# KiCad board F02-Func-Decoder-p.kicad_pcb (continued)
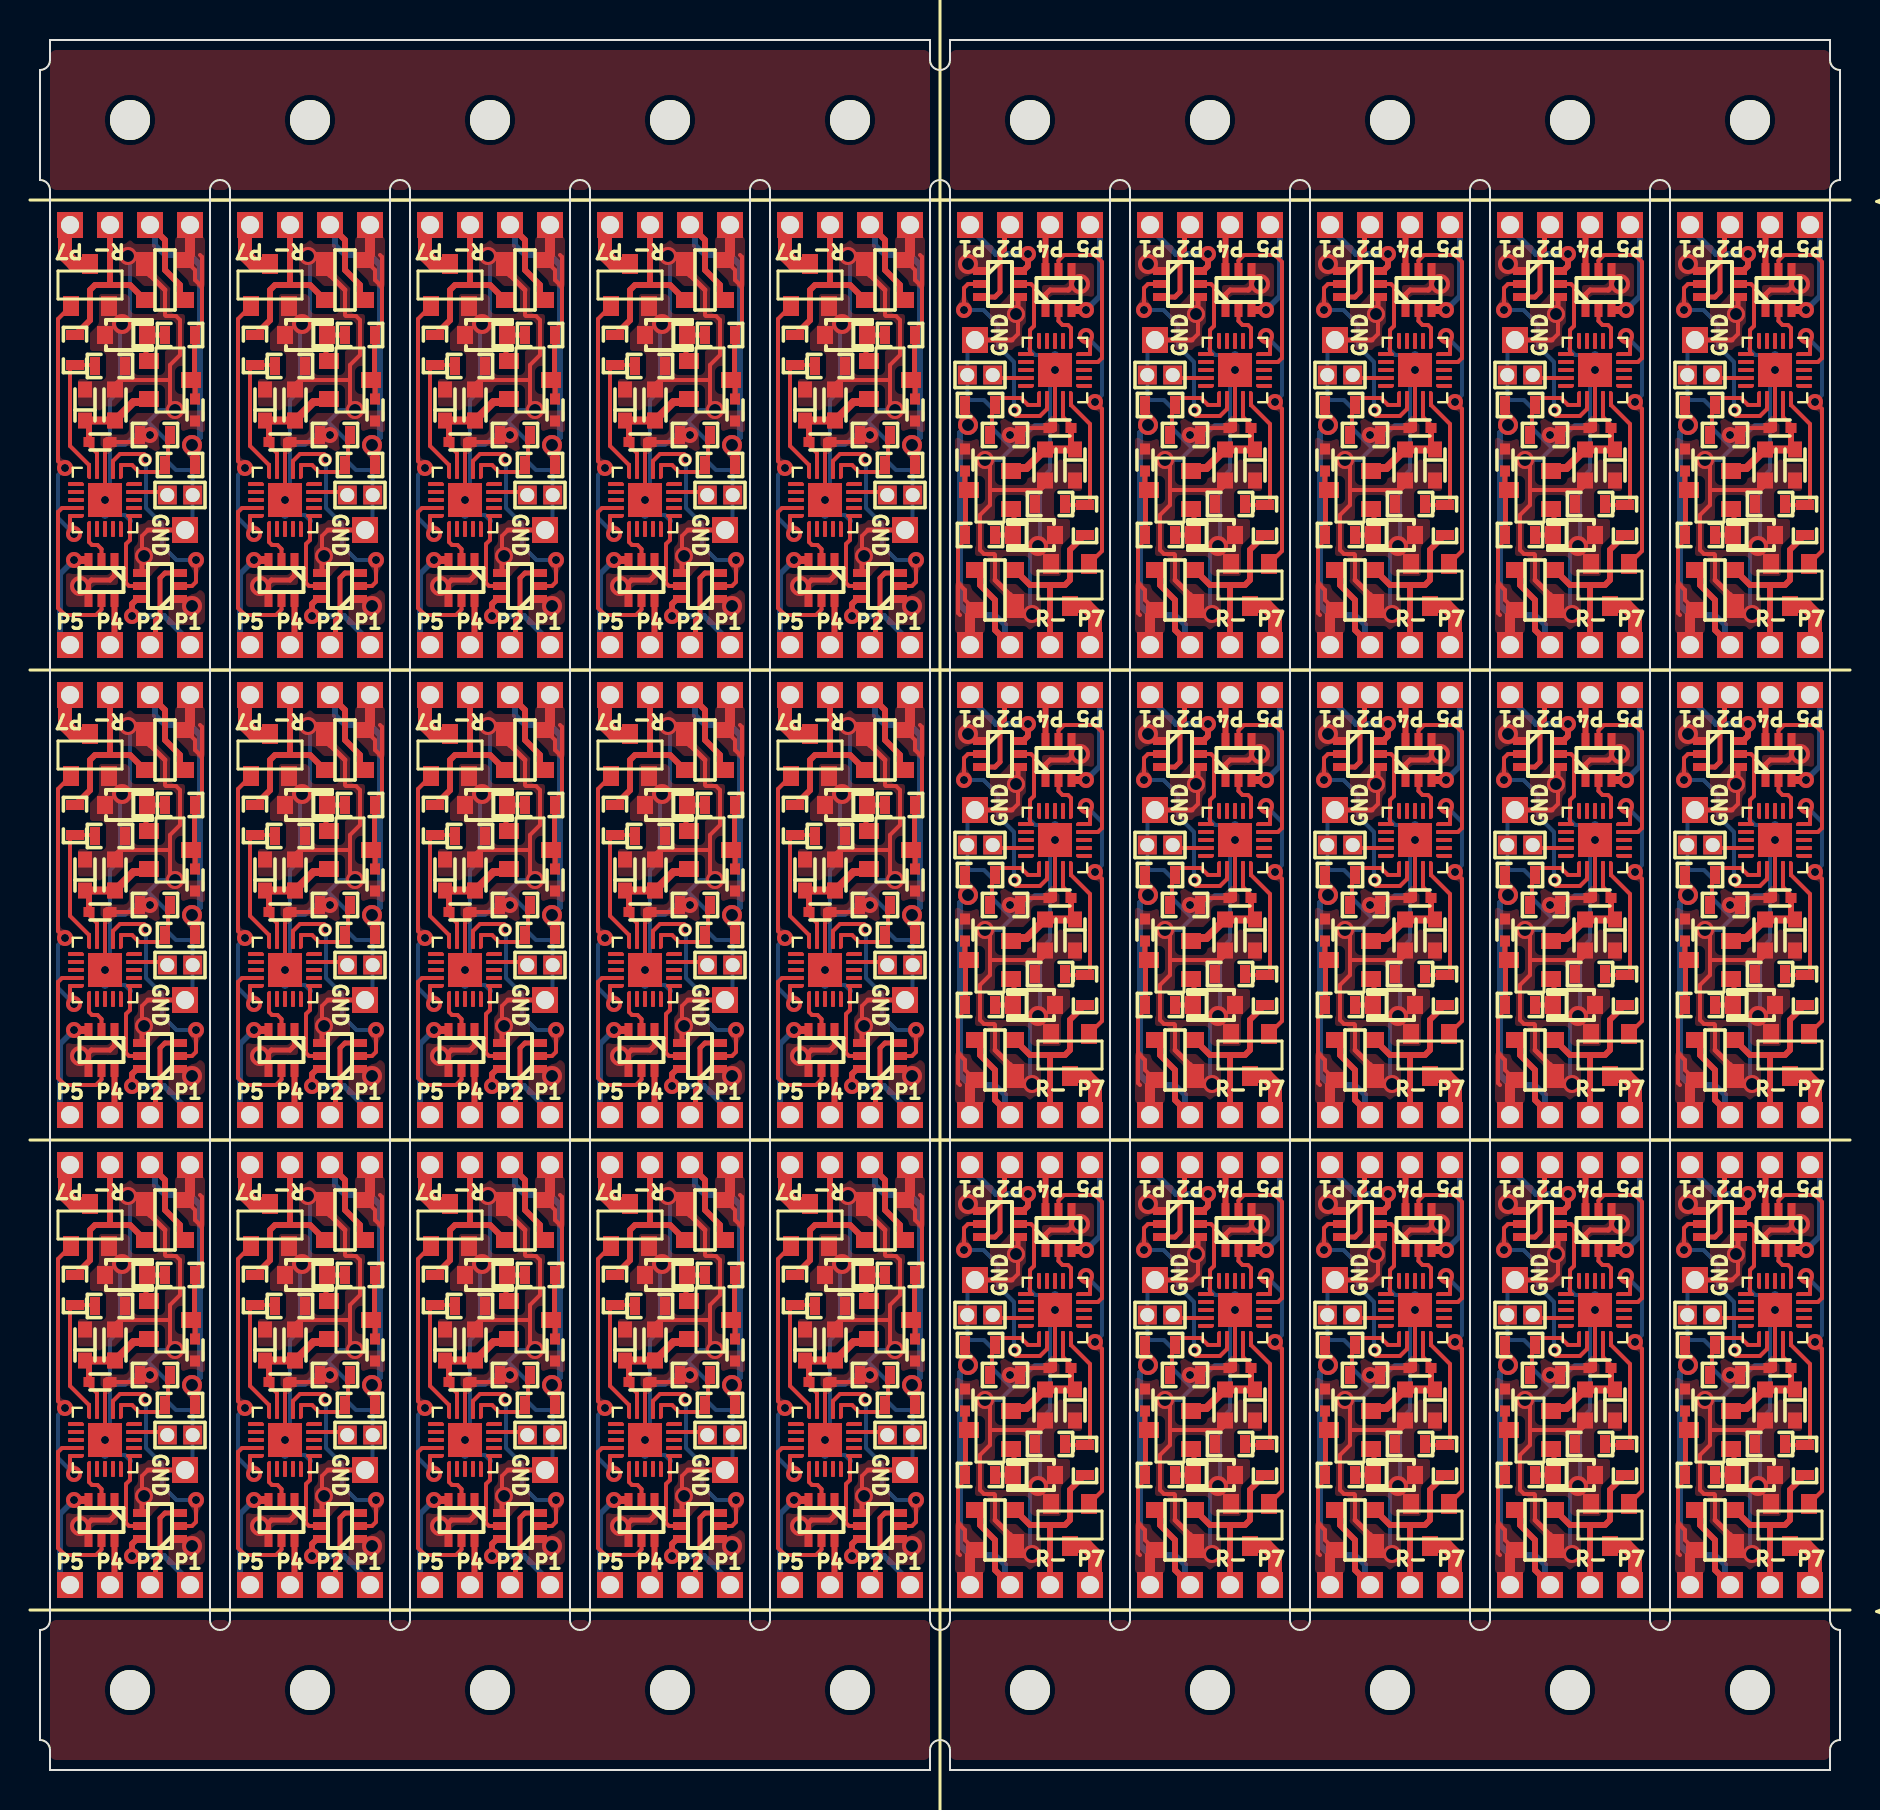
[diagram p0: board, top side]
## Routing (per net, layer and track width the routed paths; a pad name or vN(x,y) marks a point on that pad's centre or on a via; arc(x,y) is an arc through that point) (continued)
Func7: length 398.2
  Top w0.2: v1(28.25,18.1) 27.9,18.45 27.9,25.55 Q55.1 ; v1(19.7,38.3) 19.5,38.5 19.5,39.2 ; 70.5,23.8 70.5,24.5 v1(70.3,24.7) ; v1(10.7,61.8) 10.5,62 10.5,62.7 ; Q55#2.1 62.1,60.95 62.1,68.05 v1(61.75,68.4) ; v1(61.3,71.7) 61.5,71.5 61.5,70.8 ; 28.5,39.2 28.5,38.5 v1(28.7,38.3) ; v1(37.25,65.1) 36.9,65.45 36.9,72.55 Q19#2.1 ; v1(28.25,41.6) 27.9,41.95 27.9,49.05 Q35#2.1 ; v1(61.75,21.4) 62.1,21.05 62.1,13.95 Q15#2.1 ; v1(88.75,68.4) 89.1,68.05 89.1,60.95 Q43.1 ; 79.5,47.3 79.5,48 v1(79.3,48.2) ; v1(28.25,65.1) 27.9,65.45 27.9,72.55 Q15.1 ; v1(52.75,21.4) 53.1,21.05 53.1,13.95 Q19.1 ; v1(1.25,41.6) 0.9,41.95 0.9,49.05 Q23.1 ; 1.5,62.7 1.5,62 v1(1.7,61.8) ; Q51.1 71.1,60.95 71.1,68.05 v1(70.75,68.4) ; v1(70.3,48.2) 70.5,48 70.5,47.3 ; v1(79.3,71.7) 79.5,71.5 79.5,70.8 ; v1(52.75,68.4) 53.1,68.05 53.1,60.95 Q59#2.1 ; v1(1.25,65.1) 0.9,65.45 0.9,72.55 Q3#2.1 ; v1(70.75,21.4) 71.1,21.05 71.1,13.95 Q11#2.1 ; 1.5,39.2 1.5,38.5 v1(1.7,38.3) ; v1(88.3,48.2) 88.5,48 88.5,47.3 ; v1(52.75,44.9) 53.1,44.55 53.1,37.45 Q39#2.1 ; Q7.1 9.9,72.55 9.9,65.45 v1(10.25,65.1) ; 19.5,15.7 19.5,15 v1(19.7,14.8) ; Q23#2.1 89.1,37.45 89.1,44.55 v1(88.75,44.9) ; v1(10.7,14.8) 10.5,15 10.5,15.7 ; v1(10.25,18.1) 9.9,18.45 9.9,25.55 Q47#2.1 ; v1(10.25,41.6) 9.9,41.95 9.9,49.05 Q27.1 ; Q43#2.1 0.9,25.55 0.9,18.45 v1(1.25,18.1) ; v1(79.75,21.4) 80.1,21.05 80.1,13.95 Q7#2.1 ; v1(61.3,24.7) 61.5,24.5 61.5,23.8 ; v1(37.7,61.8) 37.5,62 37.5,62.7 ; v1(52.3,71.7) 52.5,71.5 52.5,70.8 ; v1(61.3,48.2) 61.5,48 61.5,47.3 ; Q39.1 36.9,49.05 36.9,41.95 v1(37.25,41.6) ; Q47.1 80.1,60.95 80.1,68.05 v1(79.75,68.4) ; v1(37.7,14.8) 37.5,15 37.5,15.7 ; v1(79.3,24.7) 79.5,24.5 79.5,23.8 ; Q27#2.1 80.1,37.45 80.1,44.55 v1(79.75,44.9) ; Q59.1 36.9,25.55 36.9,18.45 v1(37.25,18.1) ; 1.5,15.7 1.5,15 v1(1.7,14.8) ; Q31.1 18.9,49.05 18.9,41.95 v1(19.25,41.6) ; v1(52.3,24.7) 52.5,24.5 52.5,23.8 ; 70.5,70.8 70.5,71.5 v1(70.3,71.7) ; v1(19.7,61.8) 19.5,62 19.5,62.7 ; v1(28.7,61.8) 28.5,62 28.5,62.7 ; v1(88.75,21.4) 89.1,21.05 89.1,13.95 Q3.1 ; Q35.1 62.1,37.45 62.1,44.55 v1(61.75,44.9) ; v1(37.7,38.3) 37.5,38.5 37.5,39.2 ; v1(88.3,24.7) 88.5,24.5 88.5,23.8 ; 28.5,15.7 28.5,15 v1(28.7,14.8) ; Q11.1 18.9,72.55 18.9,65.45 v1(19.25,65.1) ; v1(70.75,44.9) 71.1,44.55 71.1,37.45 Q31#2.1 ; 52.5,47.3 52.5,48 v1(52.3,48.2) ; 10.5,39.2 10.5,38.5 v1(10.7,38.3) ; 88.5,70.8 88.5,71.5 v1(88.3,71.7) ; v1(19.25,18.1) 18.9,18.45 18.9,25.55 Q51#2.1
  Bottom w0.2: v1(19.25,41.6) 18.9,41.25 18.9,39.1 v1(19.7,38.3) ; v1(70.3,24.7) 71.1,23.9 71.1,21.75 v1(70.75,21.4) ; v1(19.25,18.1) 18.9,17.75 18.9,15.6 v1(19.7,14.8) ; v1(10.7,61.8) 9.9,62.6 9.9,64.75 v1(10.25,65.1) ; v1(1.7,38.3) 0.9,39.1 0.9,41.25 v1(1.25,41.6) ; v1(37.7,14.8) 36.9,15.6 36.9,17.75 v1(37.25,18.1) ; v1(88.75,44.9) 89.1,45.25 89.1,47.4 v1(88.3,48.2) ; v1(70.75,68.4) 71.1,68.75 71.1,70.9 v1(70.3,71.7) ; v1(70.75,44.9) 71.1,45.25 71.1,47.4 v1(70.3,48.2) ; v1(19.7,61.8) 18.9,62.6 18.9,64.75 v1(19.25,65.1) ; v1(88.75,21.4) 89.1,21.75 89.1,23.9 v1(88.3,24.7) ; v1(61.75,44.9) 62.1,45.25 62.1,47.4 v1(61.3,48.2) ; v1(79.3,48.2) 80.1,47.4 80.1,45.25 v1(79.75,44.9) ; v1(52.3,71.7) 53.1,70.9 53.1,68.75 v1(52.75,68.4) ; v1(79.3,71.7) 80.1,70.9 80.1,68.75 v1(79.75,68.4) ; v1(1.7,61.8) 0.9,62.6 0.9,64.75 v1(1.25,65.1) ; v1(28.7,38.3) 27.9,39.1 27.9,41.25 v1(28.25,41.6) ; v1(79.75,21.4) 80.1,21.75 80.1,23.9 v1(79.3,24.7) ; v1(1.25,18.1) 0.9,17.75 0.9,15.6 v1(1.7,14.8) ; v1(28.25,65.1) 27.9,64.75 27.9,62.6 v1(28.7,61.8) ; v1(28.25,18.1) 27.9,17.75 27.9,15.6 v1(28.7,14.8) ; v1(61.75,68.4) 62.1,68.75 62.1,70.9 v1(61.3,71.7) ; v1(52.3,24.7) 53.1,23.9 53.1,21.75 v1(52.75,21.4) ; v1(10.25,18.1) 9.9,17.75 9.9,15.6 v1(10.7,14.8) ; v1(52.75,44.9) 53.1,45.25 53.1,47.4 v1(52.3,48.2) ; v1(10.25,41.6) 9.9,41.25 9.9,39.1 v1(10.7,38.3) ; v1(61.75,21.4) 62.1,21.75 62.1,23.9 v1(61.3,24.7) ; v1(37.25,65.1) 36.9,64.75 36.9,62.6 v1(37.7,61.8) ; v1(88.3,71.7) 89.1,70.9 89.1,68.75 v1(88.75,68.4) ; v1(37.7,38.3) 36.9,39.1 36.9,41.25 v1(37.25,41.6)
RAIL+: length 554.1
  Top w0.3: P26#2.1 6.25,53 6.25,51.5 7,50.75 7,50.25 D11#2.3 ; P6#2.1 74.75,10 74.75,11.5 74,12.25 74,12.75 D3.3 ; D15#2.3 65,36.25 65,35.75 65.75,35 65.75,33.5 P36.1 ; P11.1 24.25,76.5 24.25,75 25,74.25 25,73.75 D5.3 ; P1#2.1 83.75,10 83.75,11.5 83,12.25 83,12.75 D1.3 ; P51#2.1 83.75,57 83.75,58.5 83,59.25 83,59.75 D21.3 ; D17#2.3 56,36.25 56,35.75 56.75,35 56.75,33.5 P41.1 ; D3#2.3 16,73.75 16,74.25 15.25,75 15.25,76.5 P6.1 ; D25.3 65,59.75 65,59.25 65.75,58.5 65.75,57 P61#2.1 ; P36#2.1 24.25,53 24.25,51.5 25,50.75 25,50.25 D15.3 ; D23.3 74,59.75 74,59.25 74.75,58.5 74.75,57 P56#2.1 ; D27#2.3 34,26.75 34,27.25 33.25,28 33.25,29.5 P66.1 ; D9.3 43,73.75 43,74.25 42.25,75 42.25,76.5 P21#2.1 ; D17.3 34,50.25 34,50.75 33.25,51.5 33.25,53 P41#2.1 ; D25#2.3 25,26.75 25,27.25 24.25,28 24.25,29.5 P61.1 ; D13#2.3 16,50.25 16,50.75 15.25,51.5 15.25,53 P31#2.1 ; D7.3 34,73.75 34,74.25 33.25,75 33.25,76.5 P16#2.1 ; D29#2.3 47,59.75 47,59.25 47.75,58.5 47.75,57 P71#2.1 ; P11#2.1 65.75,10 65.75,11.5 65,12.25 65,12.75 D5#2.3 ; P46#2.1 47.75,33.5 47.75,35 47,35.75 47,36.25 D19#2.3 ; D19.3 43,50.25 43,50.75 42.25,51.5 42.25,53 P46.1 ; P31.1 74.75,33.5 74.75,35 74,35.75 74,36.25 D13.3 ; P26.1 83.75,33.5 83.75,35 83,35.75 83,36.25 D11.3 ; D21#2.3 7,26.75 7,27.25 6.25,28 6.25,29.5 P51.1 ; D29.3 43,26.75 43,27.25 42.25,28 42.25,29.5 P71.1 ; D27.3 56,59.75 56,59.25 56.75,58.5 56.75,57 P66#2.1 ; P16.1 56.75,10 56.75,11.5 56,12.25 56,12.75 D7#2.3 ; D1#2.3 7,73.75 7,74.25 6.25,75 6.25,76.5 P1.1 ; D23#2.3 16,26.75 16,27.25 15.25,28 15.25,29.5 P56.1 ; P21.1 47.75,10 47.75,11.5 47,12.25 47,12.75 D9#2.3
  Top w0.4: v2(55.4,20.25) 55.25,20.4 R16.1 ; R61.1 25.75,19.1 v2(25.6,19.25) ; v2(46.4,67.25) 46.25,67.4 R71#2.1 ; v2(43.6,19.25) 43.75,19.1 R71.1 ; R26#2.1 82.25,43.9 v2(82.4,43.75) ; R41.1 34.75,42.6 v2(34.6,42.75) ; R6#2.1 73.25,20.4 v2(73.4,20.25) ; v2(55.4,43.75) 55.25,43.9 R41#2.1 ; R51#2.1 82.25,67.4 v2(82.4,67.25) ; v2(25.6,42.75) 25.75,42.6 R36.1 ; R56.1 73.25,67.4 v2(73.4,67.25) ; v2(82.4,20.25) 82.25,20.4 R1#2.1 ; v2(64.4,67.25) 64.25,67.4 R61#2.1 ; R31.1 73.25,43.9 v2(73.4,43.75) ; R56#2.1 16.75,19.1 v2(16.6,19.25) ; v2(55.4,67.25) 55.25,67.4 R66#2.1 ; v2(16.6,42.75) 16.75,42.6 R31#2.1 ; v2(64.4,20.25) 64.25,20.4 R11#2.1 ; R66.1 34.75,19.1 v2(34.6,19.25) ; R21#2.1 43.75,66.1 v2(43.6,66.25) ; v2(43.6,42.75) 43.75,42.6 R46.1 ; v2(7.6,19.25) 7.75,19.1 R51.1 ; v2(46.4,20.25) 46.25,20.4 R21.1 ; R16#2.1 34.75,66.1 v2(34.6,66.25) ; v2(7.6,42.75) 7.75,42.6 R26.1 ; R36#2.1 64.25,43.9 v2(64.4,43.75) ; R46#2.1 46.25,43.9 v2(46.4,43.75) ; v2(25.6,66.25) 25.75,66.1 R11.1 ; R1.1 7.75,66.1 v2(7.6,66.25) ; v2(16.6,66.25) 16.75,66.1 R6.1
  Bottom w0.3: v2(16.6,42.75) 17,43.15 17,51.75 16.5,52.25 15.25,52.25 14.75,52.75 14.75,53.5 P31#2.1 ; v2(25.6,42.75) 26,43.15 26,51.75 25.5,52.25 24.25,52.25 23.75,52.75 23.75,53.5 P36#2.1 ; P56.1 14.75,30 14.75,29.25 15.25,28.75 16.5,28.75 17,28.25 17,19.65 v2(16.6,19.25) ; P31.1 75.25,33 75.25,33.75 74.75,34.25 73.5,34.25 73,34.75 73,43.35 v2(73.4,43.75) ; P21.1 48.25,9.5 48.25,10.25 47.75,10.75 46.5,10.75 46,11.25 46,19.85 v2(46.4,20.25) ; v2(73.4,67.25) 73,66.85 73,58.25 73.5,57.75 74.75,57.75 75.25,57.25 75.25,56.5 P56#2.1 ; v2(25.6,66.25) 26,66.65 26,75.25 25.5,75.75 24.25,75.75 23.75,76.25 23.75,77 P11.1 ; P16.1 57.25,9.5 57.25,10.25 56.75,10.75 55.5,10.75 55,11.25 55,19.85 v2(55.4,20.25) ; v2(46.4,67.25) 46,66.85 46,58.25 46.5,57.75 47.75,57.75 48.25,57.25 48.25,56.5 P71#2.1 ; P16#2.1 32.75,77 32.75,76.25 33.25,75.75 34.5,75.75 35,75.25 35,66.65 v2(34.6,66.25) ; v2(43.6,19.25) 44,19.65 44,28.25 43.5,28.75 42.25,28.75 41.75,29.25 41.75,30 P71.1 ; P41#2.1 32.75,53.5 32.75,52.75 33.25,52.25 34.5,52.25 35,51.75 35,43.15 v2(34.6,42.75) ; v2(7.6,19.25) 8,19.65 8,28.25 7.5,28.75 6.25,28.75 5.75,29.25 5.75,30 P51.1 ; P46#2.1 48.25,33 48.25,33.75 47.75,34.25 46.5,34.25 46,34.75 46,43.35 v2(46.4,43.75) ; P66.1 32.75,30 32.75,29.25 33.25,28.75 34.5,28.75 35,28.25 35,19.65 v2(34.6,19.25) ; v2(73.4,20.25) 73,19.85 73,11.25 73.5,10.75 74.75,10.75 75.25,10.25 75.25,9.5 P6#2.1 ; v2(64.4,67.25) 64,66.85 64,58.25 64.5,57.75 65.75,57.75 66.25,57.25 66.25,56.5 P61#2.1 ; P41.1 57.25,33 57.25,33.75 56.75,34.25 55.5,34.25 55,34.75 55,43.35 v2(55.4,43.75) ; v2(25.6,19.25) 26,19.65 26,28.25 25.5,28.75 24.25,28.75 23.75,29.25 23.75,30 P61.1 ; v2(7.6,42.75) 8,43.15 8,51.75 7.5,52.25 6.25,52.25 5.75,52.75 5.75,53.5 P26#2.1 ; v2(82.4,67.25) 82,66.85 82,58.25 82.5,57.75 83.75,57.75 84.25,57.25 84.25,56.5 P51#2.1 ; v2(43.6,66.25) 44,66.65 44,75.25 43.5,75.75 42.25,75.75 41.75,76.25 41.75,77 P21#2.1 ; P36.1 66.25,33 66.25,33.75 65.75,34.25 64.5,34.25 64,34.75 64,43.35 v2(64.4,43.75) ; P1#2.1 84.25,9.5 84.25,10.25 83.75,10.75 82.5,10.75 82,11.25 82,19.85 v2(82.4,20.25) ; P1.1 5.75,77 5.75,76.25 6.25,75.75 7.5,75.75 8,75.25 8,66.65 v2(7.6,66.25) ; P6.1 14.75,77 14.75,76.25 15.25,75.75 16.5,75.75 17,75.25 17,66.65 v2(16.6,66.25) ; P66#2.1 57.25,56.5 57.25,57.25 56.75,57.75 55.5,57.75 55,58.25 55,66.85 v2(55.4,67.25) ; P26.1 84.25,33 84.25,33.75 83.75,34.25 82.5,34.25 82,34.75 82,43.35 v2(82.4,43.75) ; P46.1 41.75,53.5 41.75,52.75 42.25,52.25 43.5,52.25 44,51.75 44,43.15 v2(43.6,42.75) ; v2(64.4,20.25) 64,19.85 64,11.25 64.5,10.75 65.75,10.75 66.25,10.25 66.25,9.5 P11#2.1
RAIL-: length 277.6
  Top w0.25: D15.2 23,49.75 ; D17#2.2 58,36.75 ; D19.2 41,49.75 ; D27#2.2 32,26.25 ; D21#2.2 5,26.25 ; D5#2.2 67,13.25 ; D19#2.2 49,36.75 ; D1.2 85,13.25 ; D1#2.2 5,73.25 ; D9#2.2 49,13.25 ; D21.2 85,60.25 ; D23.2 76,60.25 ; D5.2 23,73.25 ; D3#2.2 14,73.25 ; D7.2 32,73.25 ; D27.2 58,60.25 ; D25.2 67,60.25 ; D13.2 76,36.75 ; D9.2 41,73.25 ; D15#2.2 67,36.75 ; D29#2.2 49,60.25 ; D7#2.2 58,13.25 ; D11#2.2 5,49.75 ; D17.2 32,49.75 ; D11.2 85,36.75 ; D25#2.2 23,26.25 ; D23#2.2 14,26.25 ; D29.2 41,26.25 ; D3.2 76,13.25 ; D13#2.2 14,49.75
  Top w0.3: 12.5,27.25 P57.1 ; 12.5,27.25 13.5,27.25 D23#2.2 ; 12.5,27.25 11.75,27.25 11.5,27 11.5,25.49 10.75,24.74 10.75,24.72 ; 70.25,61.78 70.25,61.76 69.5,61.01 69.5,59.5 69.25,59.25 68.5,59.25 ; 39.5,27.25 40.5,27.25 D29.2 ; 39.5,27.25 38.75,27.25 38.5,27 38.5,25.49 37.75,24.74 37.75,24.72 ; 39.5,27.25 P72#2.1 ; 77.5,12.25 78.25,12.25 78.5,12.5 78.5,14.01 79.25,14.76 79.25,14.78 ; 77.5,12.25 P7.1 ; 77.5,12.25 76.5,12.25 D3.2 ; 86.5,12.25 P2.1 ; 86.5,12.25 85.5,12.25 D1.2 ; 86.5,12.25 87.25,12.25 87.5,12.5 87.5,14.01 88.25,14.76 88.25,14.78 ; 41.1,50.25 41.25,50.25 ; 86.5,59.25 85.5,59.25 D21.2 ; 86.5,59.25 87.25,59.25 87.5,59.5 87.5,61.01 88.25,61.76 88.25,61.78 ; 86.5,59.25 P52.1 ; 37.75,48.22 37.75,48.24 38.5,48.99 38.5,50.5 38.75,50.75 39.5,50.75 ; 68.5,12.25 67.5,12.25 D5#2.2 ; 68.5,12.25 69.25,12.25 69.5,12.5 69.5,14.01 70.25,14.76 70.25,14.78 ; 68.5,12.25 P12#2.1 ; 12.5,50.75 P32.1 ; 12.5,50.75 11.75,50.75 11.5,50.5 11.5,48.99 10.75,48.24 10.75,48.22 ; 12.5,50.75 13.5,50.75 D13#2.2 ; 57.9,12.75 57.75,12.75 ; 30.5,74.25 P17.1 ; 30.5,74.25 31.5,74.25 D7.2 ; 30.5,74.25 29.75,74.25 29.5,74 29.5,72.49 28.75,71.74 28.75,71.72 ; 3.5,27.25 4.5,27.25 D21#2.2 ; 3.5,27.25 P52#2.1 ; 3.5,27.25 2.75,27.25 2.5,27 2.5,25.49 1.75,24.74 1.75,24.72 ; 23.1,26.75 23.25,26.75 ; D1#2.2 4.5,74.25 3.5,74.25 ; 75.9,12.75 75.75,12.75 ; 21.5,50.75 P37#2.1 ; 21.5,50.75 22.5,50.75 D15.2 ; 21.5,50.75 20.75,50.75 20.5,50.5 20.5,48.99 19.75,48.24 19.75,48.22 ; 48.9,36.25 48.75,36.25 ; 50.5,35.75 51.25,35.75 51.5,36 51.5,37.51 52.25,38.26 52.25,38.28 ; 50.5,35.75 P47#2.1 ; 50.5,35.75 49.5,35.75 D19#2.2 ; 68.5,35.75 P37.1 ; 68.5,35.75 67.5,35.75 D15#2.2 ; 68.5,35.75 69.25,35.75 69.5,36 69.5,37.51 70.25,38.26 70.25,38.28 ; 1.75,71.72 1.75,71.74 2.5,72.49 2.5,74 2.75,74.25 3.5,74.25 ; 57.9,36.25 57.75,36.25 ; 41.1,73.75 41.25,73.75 ; 68.5,59.25 P62.1 ; 68.5,59.25 67.5,59.25 D25.2 ; 77.5,35.75 76.5,35.75 D13.2 ; 77.5,35.75 78.25,35.75 78.5,36 78.5,37.51 79.25,38.26 79.25,38.28 ; 77.5,35.75 P32#2.1 ; 39.5,50.75 40.5,50.75 D19.2 ; 39.5,50.75 P47.1 ; D25#2.2 22.5,27.25 21.5,27.25 ; 84.9,59.75 84.75,59.75 ; 50.5,12.25 51.25,12.25 51.5,12.5 51.5,14.01 52.25,14.76 52.25,14.78 ; 50.5,12.25 49.5,12.25 D9#2.2 ; 50.5,12.25 P22#2.1 ; 32.1,50.25 32.25,50.25 ; 66.9,12.75 66.75,12.75 ; D23.2 76.5,59.25 77.5,59.25 ; 39.5,74.25 P22.1 ; 39.5,74.25 40.5,74.25 D9.2 ; 39.5,74.25 38.75,74.25 38.5,74 38.5,72.49 37.75,71.74 37.75,71.72 ; 21.5,27.25 20.75,27.25 20.5,27 20.5,25.49 19.75,24.74 19.75,24.72 ; 21.5,27.25 P62#2.1 ; 52.25,61.78 52.25,61.76 51.5,61.01 51.5,59.5 51.25,59.25 50.5,59.25 ; 66.9,59.75 66.75,59.75 ; 5.1,50.25 5.25,50.25 ; 88.25,38.28 88.25,38.26 87.5,37.51 87.5,36 87.25,35.75 86.5,35.75 ; 86.5,35.75 85.5,35.75 D11.2 ; 86.5,35.75 P27.1 ; 21.5,74.25 P12.1 ; 21.5,74.25 22.5,74.25 D5.2 ; 21.5,74.25 20.75,74.25 20.5,74 20.5,72.49 19.75,71.74 19.75,71.72 ; 77.5,59.25 P57#2.1 ; 77.5,59.25 78.25,59.25 78.5,59.5 78.5,61.01 79.25,61.76 79.25,61.78 ; 28.75,24.72 28.75,24.74 29.5,25.49 29.5,27 29.75,27.25 30.5,27.25 ; 5.1,73.75 5.25,73.75 ; 57.9,59.75 57.75,59.75 ; 32.1,73.75 32.25,73.75 ; 1.75,48.22 1.75,48.24 2.5,48.99 2.5,50.5 2.75,50.75 3.5,50.75 ; D17#2.2 58.5,35.75 59.5,35.75 ; 3.5,74.25 P2#2.1 ; 30.5,27.25 P67#2.1 ; 30.5,27.25 31.5,27.25 D27#2.2 ; 84.9,36.25 84.75,36.25 ; 28.75,48.22 28.75,48.24 29.5,48.99 29.5,50.5 29.75,50.75 30.5,50.75 ; 61.25,61.78 61.25,61.76 60.5,61.01 60.5,59.5 60.25,59.25 59.5,59.25 ; 12.5,74.25 P7#2.1 ; 12.5,74.25 13.5,74.25 D3#2.2 ; 12.5,74.25 11.75,74.25 11.5,74 11.5,72.49 10.75,71.74 10.75,71.72 ; 48.9,12.75 48.75,12.75 ; D27.2 58.5,59.25 59.5,59.25 ; 30.5,50.75 P42.1 ; 30.5,50.75 31.5,50.75 D17.2 ; 14.1,50.25 14.25,50.25 ; 61.25,14.78 61.25,14.76 60.5,14.01 60.5,12.5 60.25,12.25 59.5,12.25 ; D7#2.2 58.5,12.25 59.5,12.25 ; 50.5,59.25 P72.1 ; 50.5,59.25 49.5,59.25 D29#2.2 ; 59.5,12.25 P17#2.1 ; 61.25,38.28 61.25,38.26 60.5,37.51 60.5,36 60.25,35.75 59.5,35.75 ; 84.9,12.75 84.75,12.75 ; 3.5,50.75 P27#2.1 ; 3.5,50.75 4.5,50.75 D11#2.2 ; 48.9,59.75 48.75,59.75 ; 14.1,73.75 14.25,73.75 ; 59.5,59.25 P67.1 ; 5.1,26.75 5.25,26.75 ; 23.1,50.25 23.25,50.25 ; 41.1,26.75 41.25,26.75 ; 75.9,59.75 75.75,59.75 ; 75.9,36.25 75.75,36.25 ; 23.1,73.75 23.25,73.75 ; 66.9,36.25 66.75,36.25 ; 14.1,26.75 14.25,26.75 ; 59.5,35.75 P42#2.1 ; 32.1,26.75 32.25,26.75
UPDI: length 51.8
  Top w0.2: P15.1 24.22,63.9 U3#2.19 ; U5.19 47.78,22.6 P25.1 ; U7.19 15.22,40.4 P35.1 ; P45.1 56.78,46.1 U9#2.19 ; U12.19 74.78,69.6 P60.1 ; P15#2.1 65.78,22.6 U3.19 ; U6.19 83.78,46.1 P30#2.1 ; P5#2.1 83.78,22.6 U1#2.19 ; U13.19 65.78,69.6 P65#2.1 ; U15.19 47.78,69.6 P75#2.1 ; P20.1 33.22,63.9 U4.19 ; P50#2.1 42.22,40.4 U10.19 ; P10#2.1 15.22,63.9 U2#2.19 ; P65.1 24.22,16.9 U13#2.19 ; P75.1 42.22,16.9 U15#2.19 ; P20#2.1 56.78,22.6 U4#2.19 ; P25#2.1 42.22,63.9 U5#2.19 ; P60#2.1 15.22,16.9 U12#2.19 ; P45#2.1 33.22,40.4 U9.19 ; P30.1 6.22,40.4 U6#2.19 ; P70.1 33.22,16.9 U14.19 ; P55#2.1 6.22,16.9 U11#2.19 ; U7#2.19 74.78,46.1 P35#2.1 ; U14#2.19 56.78,69.6 P70#2.1 ; P50.1 47.78,46.1 U10#2.19 ; U2.19 74.78,22.6 P10.1 ; P55.1 83.78,69.6 U11.19 ; U1.19 6.22,63.9 P5.1 ; P40.1 24.22,40.4 U8#2.19 ; P40#2.1 65.78,46.1 U8.19
Net-(D2-K): length 70.1
  Top w0.25: 83.72,61.75 84.7,61.75 84.7,62.9 Q41#2.1 ; 47.72,14.75 48.7,14.75 48.7,15.9 Q17#2.1 ; 83.72,14.75 84.7,14.75 84.7,15.9 Q1#2.1 ; 47.72,61.75 48.7,61.75 48.7,62.9 Q57#2.1 ; 56.72,14.75 57.7,14.75 57.7,15.9 Q13.1 ; Q49.1 66.7,62.9 66.7,61.75 65.72,61.75 ; Q37.1 41.3,47.1 41.3,48.25 42.28,48.25 ; 74.72,14.75 75.7,14.75 75.7,15.9 Q5.1 ; Q45.1 14.3,23.6 14.3,24.75 15.28,24.75 ; 15.28,48.25 14.3,48.25 14.3,47.1 Q25#2.1 ; Q25.1 75.7,39.4 75.7,38.25 74.72,38.25 ; Q9.1 23.3,70.6 23.3,71.75 24.28,71.75 ; 65.72,14.75 66.7,14.75 66.7,15.9 Q9#2.1 ; Q33.1 32.3,47.1 32.3,48.25 33.28,48.25 ; Q17.1 41.3,70.6 41.3,71.75 42.28,71.75 ; 33.28,71.75 32.3,71.75 32.3,70.6 Q13#2.1 ; 33.28,24.75 32.3,24.75 32.3,23.6 Q53.1 ; 47.72,38.25 48.7,38.25 48.7,39.4 Q37#2.1 ; Q49#2.1 23.3,23.6 23.3,24.75 24.28,24.75 ; Q29.1 66.7,39.4 66.7,38.25 65.72,38.25 ; Q57.1 41.3,23.6 41.3,24.75 42.28,24.75 ; Q1.1 5.3,70.6 5.3,71.75 6.28,71.75 ; Q45#2.1 75.7,62.9 75.7,61.75 74.72,61.75 ; Q41.1 5.3,23.6 5.3,24.75 6.28,24.75 ; Q29#2.1 23.3,47.1 23.3,48.25 24.28,48.25 ; Q53#2.1 57.7,62.9 57.7,61.75 56.72,61.75 ; 56.72,38.25 57.7,38.25 57.7,39.4 Q33#2.1 ; Q5#2.1 14.3,70.6 14.3,71.75 15.28,71.75 ; 83.72,38.25 84.7,38.25 84.7,39.4 Q21#2.1 ; Q21.1 5.3,47.1 5.3,48.25 6.28,48.25
Net-(U1-PA2): length 135.1
  Top w0.2: U6.1 85.95,44.8 ; 67.95,44.75 67.4,44.75 67.05,45.1 65.82,45.1 65.75,45.03 R36#2.2 65.6,44.6 65.6,43.35 R38.1 ; U5.1 49.95,21.3 ; R43.1 56.6,43.35 56.6,44.6 R41#2.2 56.75,45.03 56.82,45.1 58.05,45.1 58.4,44.75 58.95,44.75 ; U3#2.1 22.05,65.2 ; 85.95,44.75 85.4,44.75 85.05,45.1 83.82,45.1 83.75,45.03 R26#2.2 83.6,44.6 83.6,43.35 R28#2.1 ; R8.1 15.4,66.65 15.4,65.4 R6.2 15.25,64.97 15.17,64.9 13.95,64.9 13.6,65.25 13.05,65.25 ; 31.05,18.25 31.6,18.25 31.95,17.9 33.18,17.9 33.25,17.97 R66.2 33.4,18.4 33.4,19.65 R68#2.1 ; 85.95,21.25 85.4,21.25 85.05,21.6 83.82,21.6 83.75,21.53 R1#2.2 83.6,21.1 83.6,19.85 R3.1 ; 76.95,44.75 76.4,44.75 76.05,45.1 74.82,45.1 74.75,45.03 R31.2 74.6,44.6 74.6,43.35 R33.1 ; 40.05,41.75 40.6,41.75 40.95,41.4 42.18,41.4 42.25,41.47 R46.2 42.4,41.9 42.4,43.15 R48.1 ; 85.95,68.25 85.4,68.25 85.05,68.6 83.82,68.6 83.75,68.53 R51#2.2 83.6,68.1 83.6,66.85 R53#2.1 ; U4.1 31.05,65.2 ; R48#2.1 47.6,43.35 47.6,44.6 R46#2.2 47.75,45.03 47.82,45.1 49.05,45.1 49.4,44.75 49.95,44.75 ; U14.1 31.05,18.2 ; 67.95,68.25 67.4,68.25 67.05,68.6 65.82,68.6 65.75,68.53 R61#2.2 65.6,68.1 65.6,66.85 R63.1 ; 31.05,65.25 31.6,65.25 31.95,64.9 33.18,64.9 33.25,64.97 R16#2.2 33.4,65.4 33.4,66.65 R18.1 ; U10.1 40.05,41.7 ; 49.95,21.25 49.4,21.25 49.05,21.6 47.82,21.6 47.75,21.53 R21.2 47.6,21.1 47.6,19.85 R23#2.1 ; U8#2.1 22.05,41.7 ; U15.1 49.95,68.3 ; 4.05,18.25 4.6,18.25 4.95,17.9 6.17,17.9 6.25,17.97 R51.2 6.4,18.4 6.4,19.65 R53.1 ; U10#2.1 49.95,44.8 ; R13.1 65.6,19.85 65.6,21.1 R11#2.2 65.75,21.53 65.82,21.6 67.05,21.6 67.4,21.25 67.95,21.25 ; U9.1 31.05,41.7 ; U2.1 76.95,21.3 ; R38#2.1 24.4,43.15 24.4,41.9 R36.2 24.25,41.47 24.18,41.4 22.95,41.4 22.6,41.75 22.05,41.75 ; R13#2.1 24.4,66.65 24.4,65.4 R11.2 24.25,64.97 24.18,64.9 22.95,64.9 22.6,65.25 22.05,65.25 ; 22.05,18.25 22.6,18.25 22.95,17.9 24.18,17.9 24.25,17.97 R61.2 24.4,18.4 24.4,19.65 R63#2.1 ; U7#2.1 76.95,44.8 ; U3.1 67.95,21.3 ; U14#2.1 58.95,68.3 ; U1#2.1 85.95,21.3 ; U5#2.1 40.05,65.2 ; U11#2.1 4.05,18.2 ; R58#2.1 74.6,66.85 74.6,68.1 R56.2 74.75,68.53 74.82,68.6 76.05,68.6 76.4,68.25 76.95,68.25 ; U4#2.1 58.95,21.3 ; U6#2.1 4.05,41.7 ; 58.95,68.25 58.4,68.25 58.05,68.6 56.82,68.6 56.75,68.53 R66#2.2 56.6,68.1 56.6,66.85 R68.1 ; U12.1 76.95,68.3 ; U15#2.1 40.05,18.2 ; R43#2.1 33.4,43.15 33.4,41.9 R41.2 33.25,41.47 33.18,41.4 31.95,41.4 31.6,41.75 31.05,41.75 ; R73.1 42.4,19.65 42.4,18.4 R71.2 42.25,17.97 42.18,17.9 40.95,17.9 40.6,18.25 40.05,18.25 ; 58.95,21.25 58.4,21.25 58.05,21.6 56.82,21.6 56.75,21.53 R16.2 56.6,21.1 56.6,19.85 R18#2.1 ; R58.1 15.4,19.65 15.4,18.4 R56#2.2 15.25,17.97 15.17,17.9 13.95,17.9 13.6,18.25 13.05,18.25 ; 40.05,65.25 40.6,65.25 40.95,64.9 42.18,64.9 42.25,64.97 R21#2.2 42.4,65.4 42.4,66.65 R23.1 ; U13.1 67.95,68.3 ; 4.05,65.25 4.6,65.25 4.95,64.9 6.17,64.9 6.25,64.97 R1.2 6.4,65.4 6.4,66.65 R3#2.1 ; 13.05,41.75 13.6,41.75 13.95,41.4 15.17,41.4 15.25,41.47 R31#2.2 15.4,41.9 15.4,43.15 R33#2.1 ; U8.1 67.95,44.8 ; U7.1 13.05,41.7 ; U9#2.1 58.95,44.8 ; U1.1 4.05,65.2 ; R73#2.1 47.6,66.85 47.6,68.1 R71#2.2 47.75,68.53 47.82,68.6 49.05,68.6 49.4,68.25 49.95,68.25 ; U13#2.1 22.05,18.2 ; R8#2.1 74.6,19.85 74.6,21.1 R6#2.2 74.75,21.53 74.82,21.6 76.05,21.6 76.4,21.25 76.95,21.25 ; U12#2.1 13.05,18.2 ; U2#2.1 13.05,65.2 ; 4.05,41.75 4.6,41.75 4.95,41.4 6.17,41.4 6.25,41.47 R26.2 6.4,41.9 6.4,43.15 R28.1 ; U11.1 85.95,68.3
Net-(U1-PA4): length 209.1
  Top w0.2: 29.78,23.25 28.5,23.25 28.5,19.2 29.45,18.25 U14.5 ; U11#2.5 2.45,18.25 1.5,19.2 1.5,23.25 2.78,23.25 ; U1#2.5 87.55,21.25 88.5,20.3 88.5,16.25 87.22,16.25 ; U7#2.5 78.55,44.75 79.5,43.8 79.5,39.75 78.22,39.75 ; 51.22,39.75 52.5,39.75 52.5,43.8 51.55,44.75 U10#2.5 ; 29.78,46.75 28.5,46.75 28.5,42.7 29.45,41.75 U9.5 ; 38.78,23.25 37.5,23.25 37.5,19.2 38.45,18.25 U15#2.5 ; 51.22,16.25 52.5,16.25 52.5,20.3 51.55,21.25 U5.5 ; 69.22,39.75 70.5,39.75 70.5,43.8 69.55,44.75 U8.5 ; U5#2.5 38.45,65.25 37.5,66.2 37.5,70.25 38.78,70.25 ; 2.78,46.75 1.5,46.75 1.5,42.7 2.45,41.75 U6#2.5 ; U3.5 69.55,21.25 70.5,20.3 70.5,16.25 69.22,16.25 ; U7.5 11.45,41.75 10.5,42.7 10.5,46.75 11.78,46.75 ; U14#2.5 60.55,68.25 61.5,67.3 61.5,63.25 60.22,63.25 ; 60.22,39.75 61.5,39.75 61.5,43.8 60.55,44.75 U9#2.5 ; 11.78,70.25 10.5,70.25 10.5,66.2 11.45,65.25 U2#2.5 ; 87.22,63.25 88.5,63.25 88.5,67.3 87.55,68.25 U11.5 ; U2.5 78.55,21.25 79.5,20.3 79.5,16.25 78.22,16.25 ; U12.5 78.55,68.25 79.5,67.3 79.5,63.25 78.22,63.25 ; 51.22,63.25 52.5,63.25 52.5,67.3 51.55,68.25 U15.5 ; 69.22,63.25 70.5,63.25 70.5,67.3 69.55,68.25 U13.5 ; U1.5 2.45,65.25 1.5,66.2 1.5,70.25 2.78,70.25 ; U10.5 38.45,41.75 37.5,42.7 37.5,46.75 38.78,46.75 ; U8#2.5 20.45,41.75 19.5,42.7 19.5,46.75 20.78,46.75 ; 87.22,39.75 88.5,39.75 88.5,43.8 87.55,44.75 U6.5 ; U12#2.5 11.45,18.25 10.5,19.2 10.5,23.25 11.78,23.25 ; 20.78,23.25 19.5,23.25 19.5,19.2 20.45,18.25 U13#2.5 ; U4.5 29.45,65.25 28.5,66.2 28.5,70.25 29.78,70.25 ; U3#2.5 20.45,65.25 19.5,66.2 19.5,70.25 20.78,70.25 ; 60.22,16.25 61.5,16.25 61.5,20.3 60.55,21.25 U4#2.5

## Copper pours and planes (outline as drawn; the poured copper is in the pictures)
+12V on Top: 63.75,59.5 65.25,59.5 65.25,56.75 63.75,56.75
+12V on Top: 72.75,36 74.25,36 74.25,33.25 72.75,33.25
+12V on Top: 44.25,74 42.75,74 42.75,76.75 44.25,76.75
+12V on Top: 17.25,74 15.75,74 15.75,76.75 17.25,76.75
+12V on Top: 35.25,50.5 33.75,50.5 33.75,53.25 35.25,53.25
+12V on Top: 72.75,12.5 74.25,12.5 74.25,9.75 72.75,9.75
+12V on Top: 45.75,36 47.25,36 47.25,33.25 45.75,33.25
+12V on Top: 54.75,36 56.25,36 56.25,33.25 54.75,33.25
+12V on Top: 35.25,27 33.75,27 33.75,29.75 35.25,29.75
+12V on Top: 63.75,36 65.25,36 65.25,33.25 63.75,33.25
+12V on Top: 44.25,50.5 42.75,50.5 42.75,53.25 44.25,53.25
+12V on Top: 45.75,59.5 47.25,59.5 47.25,56.75 45.75,56.75
+12V on Top: 26.25,27 24.75,27 24.75,29.75 26.25,29.75
+12V on Top: 17.25,27 15.75,27 15.75,29.75 17.25,29.75
+12V on Top: 26.25,50.5 24.75,50.5 24.75,53.25 26.25,53.25
+12V on Top: 63.75,12.5 65.25,12.5 65.25,9.75 63.75,9.75
+12V on Top: 45.75,12.5 47.25,12.5 47.25,9.75 45.75,9.75
+12V on Top: 54.75,59.5 56.25,59.5 56.25,56.75 54.75,56.75
+12V on Top: 17.25,50.5 15.75,50.5 15.75,53.25 17.25,53.25
+12V on Top: 81.75,59.5 83.25,59.5 83.25,56.75 81.75,56.75
+12V on Top: 81.75,36 83.25,36 83.25,33.25 81.75,33.25
+12V on Top: 35.25,74 33.75,74 33.75,76.75 35.25,76.75
+12V on Top: 81.75,12.5 83.25,12.5 83.25,9.75 81.75,9.75
+12V on Top: 72.75,59.5 74.25,59.5 74.25,56.75 72.75,56.75
+12V on Top: 8.25,74 6.75,74 6.75,76.75 8.25,76.75
+12V on Top: 8.25,27 6.75,27 6.75,29.75 8.25,29.75
+12V on Top: 54.75,12.5 56.25,12.5 56.25,9.75 54.75,9.75
+12V on Top: 44.25,27 42.75,27 42.75,29.75 44.25,29.75
+12V on Top: 8.25,50.5 6.75,50.5 6.75,53.25 8.25,53.25
+12V on Top: 26.25,74 24.75,74 24.75,76.75 26.25,76.75
GND on Top: 63.75,51 65.5,51 65.5,47.5 67.75,47.5 67.75,49.25 71.25,49.25 71.25,52.75 63.75,52.75
GND on Top: 26.25,35.5 24.5,35.5 24.5,39 22.25,39 22.25,37.25 18.75,37.25 18.75,33.75 26.25,33.75
GND on Top: 73.75,60.5 73.75,63.75 72.75,63.75 72.75,64.5 73.25,64.5 73.25,65 72.75,65 72.75,68 80.25,68 80.25,67.25 79.75,67.25 79.75,66 80.25,66 80.25,63.95 78.5,63.95 78.5,59.25 80.25,59.25 80.25,55.25 72.75,55.25 72.75,60.5
GND on Top: 8.25,35.5 6.5,35.5 6.5,39 4.25,39 4.25,37.25 0.75,37.25 0.75,33.75 8.25,33.75
GND on Top: 25.25,26 25.25,22.75 26.25,22.75 26.25,22 25.75,22 25.75,21.5 26.25,21.5 26.25,18.5 18.75,18.5 18.75,19.25 19.25,19.25 19.25,20.5 18.75,20.5 18.75,22.55 20.5,22.55 20.5,27.25 18.75,27.25 18.75,31.25 26.25,31.25 26.25,26
GND on Top: 55.75,13.5 55.75,16.75 54.75,16.75 54.75,17.5 55.25,17.5 55.25,18 54.75,18 54.75,21 62.25,21 62.25,20.25 61.75,20.25 61.75,19 62.25,19 62.25,16.95 60.5,16.95 60.5,12.25 62.25,12.25 62.25,8.25 54.75,8.25 54.75,13.5
